# Altium PCB 200330 DISCHARGE R2.PcbDoc (part 1 of 2) (continued)
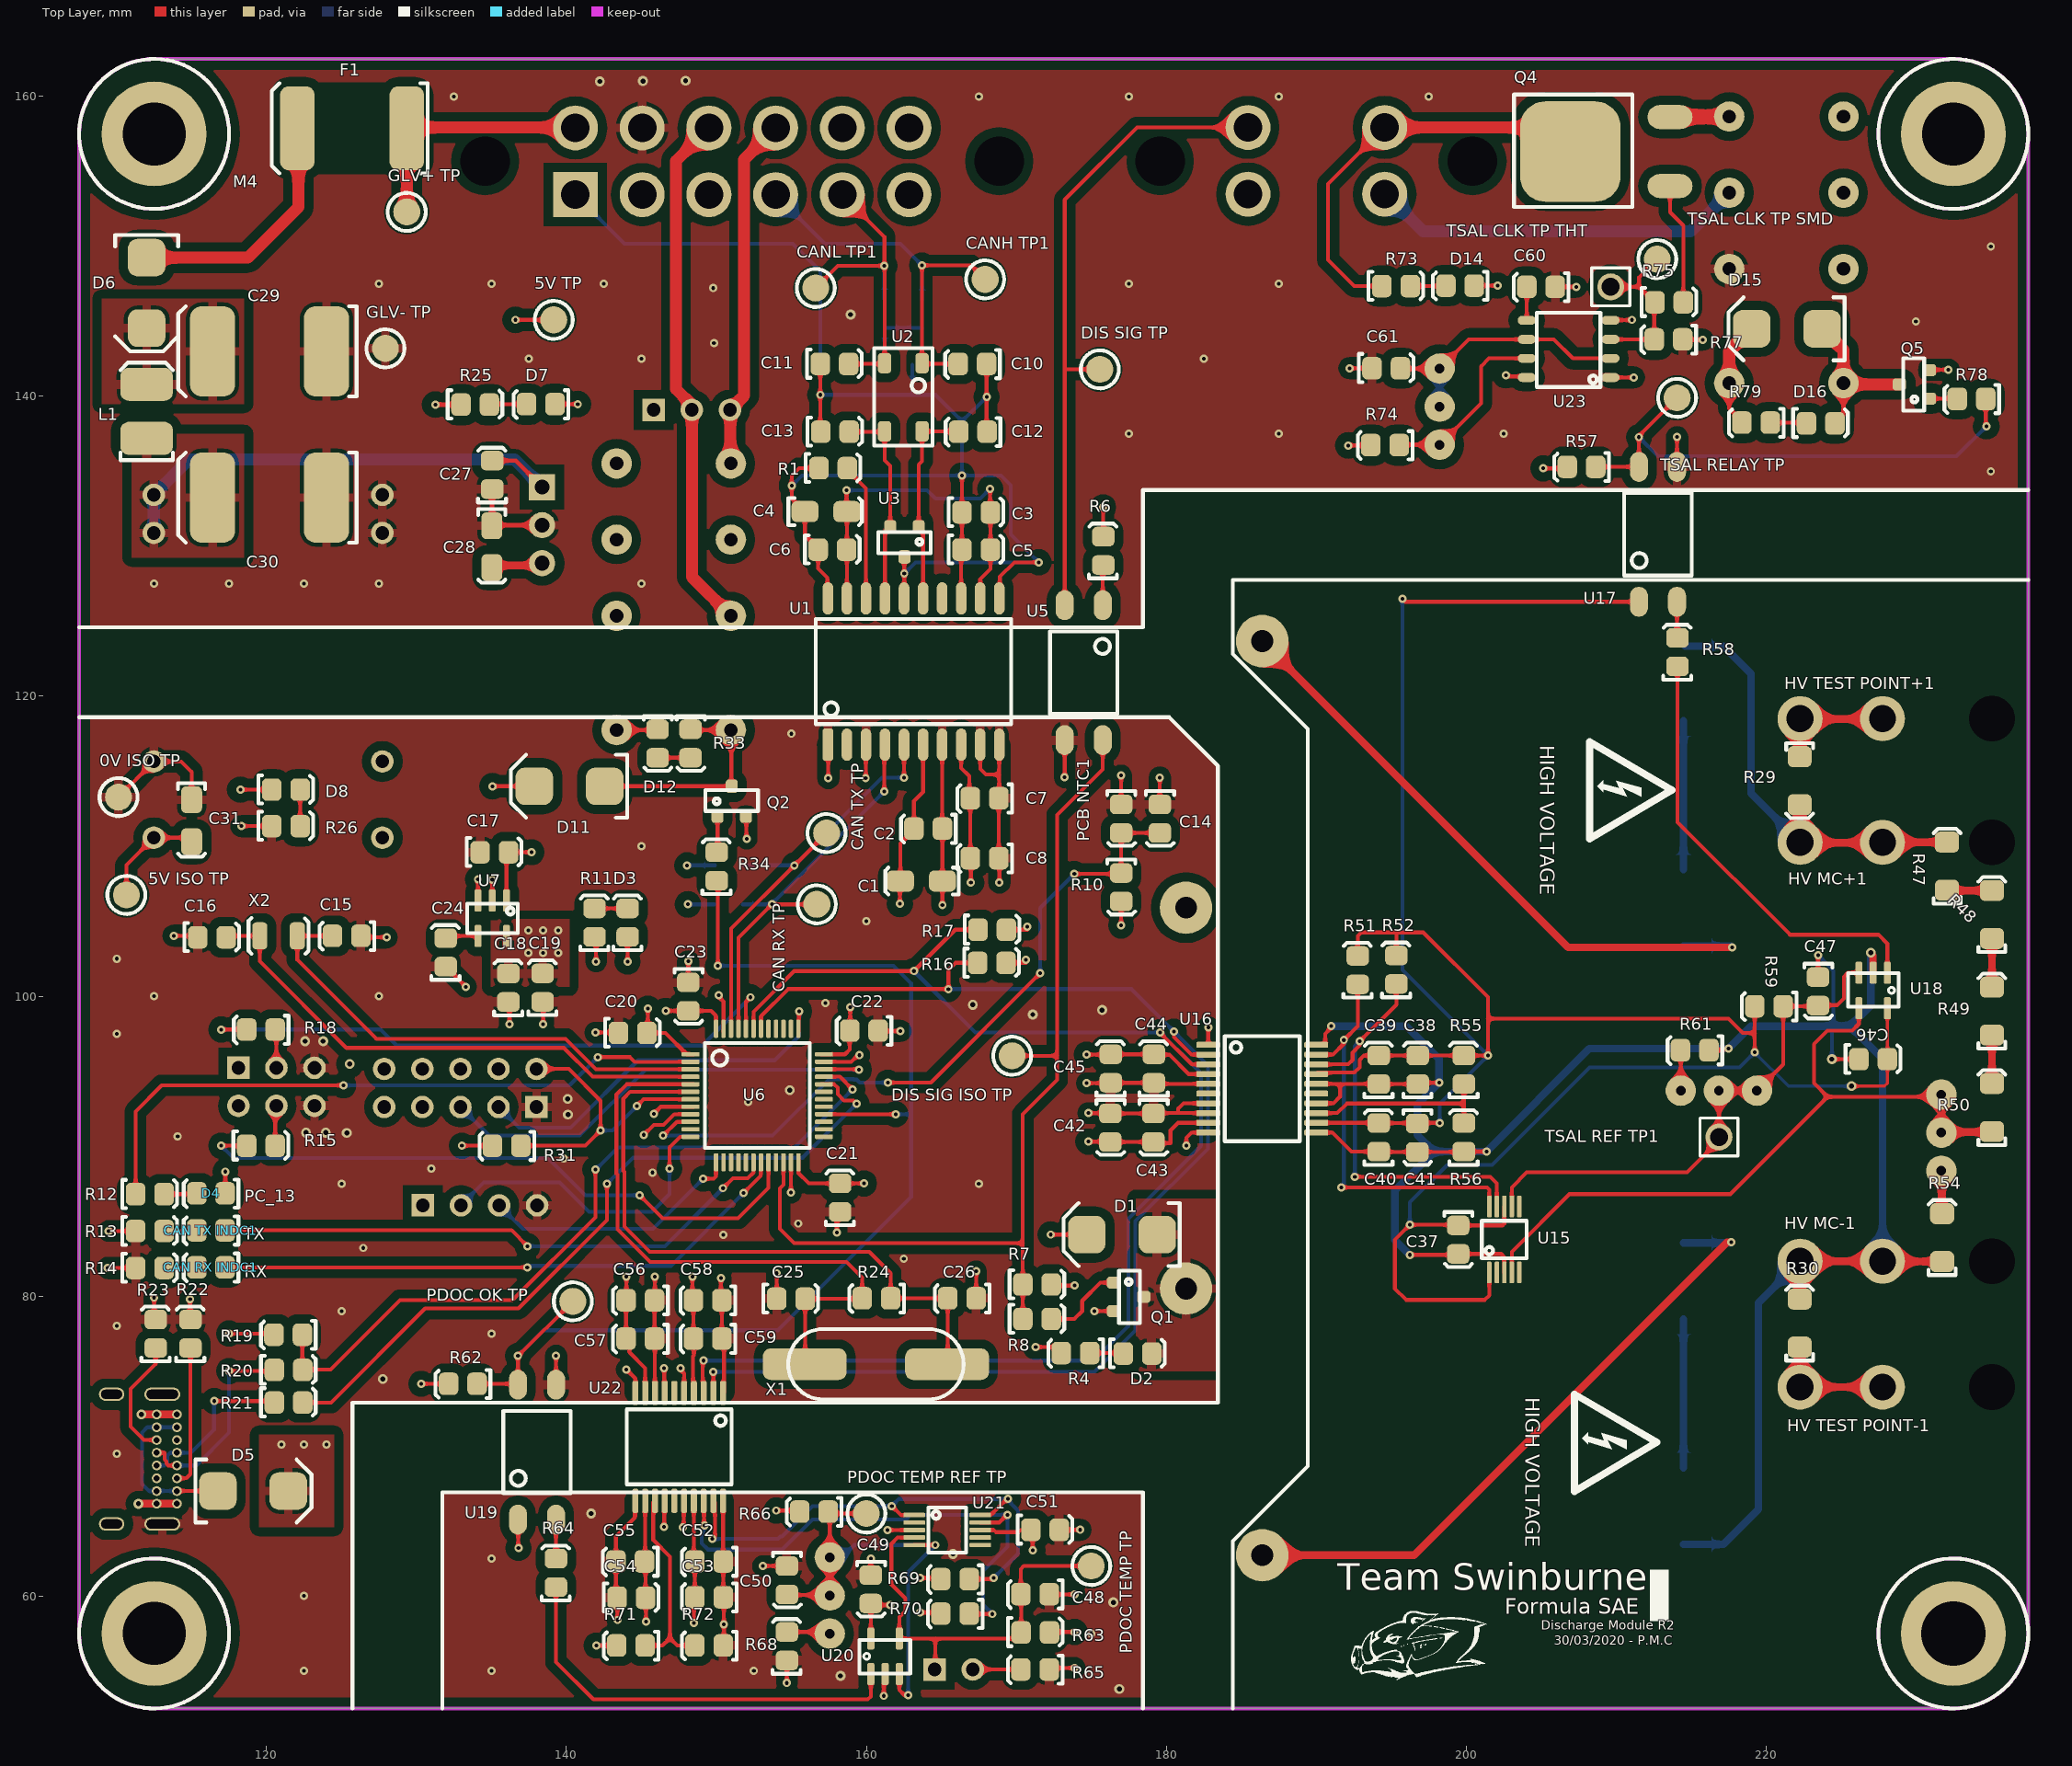
[diagram p0: Top Layer view]
## Part data (continued)
D12: library part SML-210FTT86, "Green LED Indication - Discrete 1.75V 0805 (2012 Metric)", Digikey Part Number=511-1285-1-ND, Manufacturer="ROHM Semiconductor", Colour=Green, Digikey Link=https://www.digikey.com/product-detail/en/rohm-semiconductor/SML-210FTT86/511-1285-1-ND/637098, Part Number=SML-210FTT86
F1: "SMD 24V 2A Fuse", Digikey Part Number=507-1749-2-ND, Manufacturer="Bel Fuse Inc", Digikey Link=https://www.digikey.com/product-detail/en/bel-fuse-inc/0ZCF0200AF2C/507-1749-2-ND/4156090, Part Number=0ZCF0200AF2C
"HV MC+1" "HV MC-1" "HV TEST POINT+1" "HV TEST POINT-1": Digikey Part Number=WM21351-ND, Angle=90, Contact=Tin, Flange=No, Part Number=39300020, Pitch=4.2mm, Positions=2, Row Spacing=5.5mm
K1 K2: "5V DPDT Relay 3A 220VDC", Digikey Part Number=PB383-ND, Manufacturer=Axicom, Digikey Link=https://www.digikey.com/products/en?mpart=V23105A5001A201&v=41, Part Number=V23105A5475A201
L1: library part RLS-126, Digikey Part Number=945-3429-ND, Manufacturer=Recom, Rated Current=800mA, Tolerance=0.2, Impedence=230mOhm, Inductance=12uH, Material=Wirewound, Part Number=RLS-126
P1: "USB - C (Type - C) USB 2.0 Receptacle Connector 16 Position Through Hole, Right Angle", Digikey Part Number=2073-USB4085-GF-ACT-ND, Angle=90, Digikey Link=https://www.digikey.ee/product-detail/en/gct/USB4085-GF-A/2073-USB4085-GF-ACT-ND/9859733, Part Number=USB4085-GF-A
"PCB NTC1": library part NTCS0805E3103FLT, Digikey Part Number=BC2733CT-ND, Manufacturer="Vishay Beyschlag", Rated Voltage=210mW, Tolerance=0.01, Part Number=NTCS0805E3103FLT
"PDOC Bypass1": library part "TH 2.54mm Header 1x3", Angle=0, Contact=NA, Flange=No, Part Number="TH 2.54mm Header 1x3", Pitch=2.54mm, Positions=3, Row Spacing=2.54mm
"PDOC NTC1": library part "TH 2.54mm Header 1x2", Angle=0, Contact=NA, Flange=No, Part Number="TH 2.54mm Header 1x2", Pitch=2.54mm, Positions=2, Row Spacing=2.54mm
Q1 Q2 Q5: "60V 380mA, NFET MOSTFET (Small Signal)", Digikey Part Number=2N7002KCT-ND, Manufacturer="ON Semiconductor", Digikey Link=https://www.digikey.com/product-detail/en/on-semiconductor/2N7002K/2N7002KCT-ND/2060375, LatestRevisionDate=29-May-2009, LatestRevisionNote="IPC-7351 Footprint Added.", PackageDescription="4-Pin SOT-343 Package 1.3 mm Pitch, 2.1 mm Lead Span", PackageReference=SOT-343, PackageVersion=Sep-2000, Part Number=2N7002K, Published=24-Mar-1999, Publisher="Altium Limited", Qty=30
Q4: "N-Channel 100V 60A (Tc) 125W (Tc) Surface Mount DPAK", Digikey Part Number=497-8806-2-ND, Manufacturer=STMicroelectronics, Digikey Link=https://www.digikey.com/product-detail/en/stmicroelectronics/STD70N10F4/497-8806-2-ND/2035599, LatestRevisionDate=29-May-2009, LatestRevisionNote="IPC-7351 Footprint Added.", PackageDescription="4-Pin SOT-343 Package 1.3 mm Pitch, 2.1 mm Lead Span", PackageReference=SOT-343, PackageVersion=Sep-2000, Part Number=STD70N10F4, Published=24-Mar-1999, Publisher="Altium Limited"
R1: library part RC0805FR070RL, Manufacturer=YAGEO, Rated Voltage=0.125W, Tolerance=0.01, Material=FR-07, Part Number=RC0805FR070RL
R2 R3 R5 R9: library part PWR263S-35-1001J, Digikey Part Number=PWR263S-35-1001J-ND, Manufacturer="Bournes Inc", Rated Voltage=35W, Tolerance=0.05, Part Number=PWR263S-35-1001J
R4 R6 R7 R19 R58 R73 R79: library part RC0805FR071K5L, Manufacturer=YAGEO, Rated Voltage=0.125W, Tolerance=0.01, Material=FR-07, Part Number=RC0805FR071K5L
R8 R34 R75 R78: library part RC0805FR0710RL, Manufacturer=YAGEO, Rated Voltage=0.125W, Tolerance=0.01, Material=FR-07, Part Number=RC0805FR0710RL
R10 R15 R18 R31 R56 R59 R61 R65 R66 R68 R72: library part RC0805FR0710KL, Manufacturer=YAGEO, Rated Voltage=0.125W, Tolerance=0.01, Material=FR-07, Part Number=RC0805FR0710KL
R11 R12 R26: library part RC0805FR07510RL, Manufacturer=YAGEO, Rated Voltage=0.125W, Tolerance=0.01, Material=FR-07, Part Number=RC0805FR07510RL
R13 R14 R25 R33 R64: library part RC0805FR07680RL, Manufacturer=YAGEO, Rated Voltage=0.125W, Tolerance=0.01, Material=FR-07, Part Number=RC0805FR07680RL
R16 R17 R22 R23 R27 R28 R74: library part RC0805FR075K1L, Manufacturer=YAGEO, Rated Voltage=0.125W, Tolerance=0.01, Material=FR-07, Part Number=RC0805FR075K1L
R20 R21: library part RC0805FR0720RL, Manufacturer=YAGEO, Rated Voltage=0.125W, Tolerance=0.01, Material=FR-07, Part Number=RC0805FR0720RL
R24: library part RC0805FR0710ML, Manufacturer=YAGEO, Rated Voltage=0.125W, Tolerance=0.01, Material=FR-07, Part Number=RC0805FR0710ML
R29 R30: library part MMA02040C1502FB300, Digikey Part Number=MMA-15KACT-ND, Manufacturer="Vishay Beyschlag", Rated Voltage=0.4W, Tolerance=0.01, Part Number=MMA02040C1502FB300
R47 R48 R49 R50: library part MMA02040C3303FB300, Digikey Part Number=MMA-330KACT-ND, Manufacturer="Vishay Beyschlag", Rated Voltage=0.4W, Tolerance=0.01, Part Number=MMA02040C3303FB300
R51 R52 R69 R70: library part RC0805FR075K6L, Manufacturer=YAGEO, Rated Voltage=0.125W, Tolerance=0.01, Material=FR-07, Part Number=RC0805FR075K6L
R53 R60 R67 R76: library part 3296W-1-103LF, Digikey Part Number=3296W-103LF-ND, Manufacturer="Bournes Inc", Rated Voltage=0.5W, Tolerance=0.1, Part Number=3296W-1-103LF
R54: library part MMA02040C1002FB300, Digikey Part Number=MMA-10KACT-ND, Manufacturer="Vishay Beyschlag", Rated Voltage=0.4W, Tolerance=0.01, Part Number=MMA02040C1002FB300
R55 R71: library part RC0805FR0730KL, Manufacturer=YAGEO, Rated Voltage=0.125W, Tolerance=0.01, Material=FR-07, Part Number=RC0805FR0730KL
R57 R62: library part RC0805FR073KL, Manufacturer=YAGEO, Rated Voltage=0.125W, Tolerance=0.01, Material=FR-07, Part Number=RC0805FR073KL
R63: library part RC0805FR072KL, Manufacturer=YAGEO, Rated Voltage=0.125W, Tolerance=0.01, Material=FR-07, Part Number=RC0805FR072KL
R77: library part RC0805FR0720KL, Manufacturer=YAGEO, Rated Voltage=0.125W, Tolerance=0.01, Material=FR-07, Part Number=RC0805FR0720KL
"SECONDARY INTERFACE": library part DTF13-4P[[/\]]DTF13-4P, Digikey Part Number=1734-1646-ND, Angle=90, Contact="Copper Alloy", Digikey Link=https://www.digikey.com.au/products/en?keywords=dtf13-4p, Flange=Yes, Part Number=DTF13-4P, Pitch=9.12mm, Positions=4, Row Spacing=4.45mm
SERIAL1: library part "TH 2.54mm Header 1x4", Angle=0, Contact=NA, Flange=No, Part Number="TH 2.54mm Header 1x4", Pitch=2.54mm, Positions=4, Row Spacing=2.54mm
STLINK1: library part "TH 2.54mm Header 2x5", Angle=0, Contact=NA, Flange=No, Part Number="TH 2.54mm Header 2x5", Pitch=2.54mm, Positions=10, Row Spacing=2.54mm
"TSAL CLK TP THT" "TSAL REF TP1": library part "TH Test Point", Angle=0, Contact=NA, Flange=No, Part Number="TH Test Point", Pitch=0mm, Positions=1, Row Spacing=0mm
U1: "Isolated CAN Transceiver", Digikey Part Number=ADM3053BRWZ-ND, Manufacturer="Analogue Devices", Digikey Link=https://www.digikey.com/product-detail/en/analog-devices-inc/ADM3053BRWZ/ADM3053BRWZ-ND/2709332, Part Number=ADM3053
U2: "100µH @ 100kHz 2 Line Common Mode Choke Surface Mount 5.8 kOhms @ 10MHz 150mA DCR 2Ohm", Digikey Part Number=495-4598-1-ND, Inductance="100µH @ 100kHz", Manufacturer="EPCOS (TDK)", Rated Current=150mA, Digikey Link=https://www.digikey.com/product-detail/en/epcos-tdk/B82787C0104H002/495-4598-2-ND/3680998, Impedence="5.8 kOhms @ 10MHz", Material=Wirewound, Part Number=B82787C0104H002
U3: "Dual Line CAN Bus Protector", Digikey Part Number=NUP2105LT1GOSCT-ND, Manufacturer="ON Semiconductor", Digikey Link=https://www.digikey.com/product-detail/en/on-semiconductor/NUP2105LT1G/NUP2105LT1GOSCT-ND/1485001, Part Number=NUP2105L
U4: "RELAY REED HV SPST 200W 3A 5V (NC)", Digikey Part Number=1835-1039-ND, Manufacturer="Comus International", Digikey Link=https://www.digikey.com.au/product-detail/en/comus-international/3350-4275-056/1835-1039-ND/7515921, Part Number=3350-4275-056
U5 U17 U19: "35V 50ma Optocoupler (VF=1.2V)", Digikey Part Number=160-1893-2-ND, Manufacturer="Lite-On Inc", Digikey Link=https://www.digikey.com/product-detail/en/lite-on-inc/LTV-817S-TA1/160-1893-2-ND/388451, Part Number=LTV-817S-TA1
U6: "ARM® Cortex®-M3 STM32F1 Microcontroller IC 32-Bit 72MHz 64KB (64K x 8) FLASH", Digikey Part Number=497-6063-ND, Manufacturer=STMicroelectronics, Digikey Link=https://www.digikey.com/product-detail/en/stmicroelectronics/STM32F103C8T6/497-6063-ND/1646338, Part Number=STM32F103C8T6
U7: "IC REG LINEAR 3.3V 300MA SOT23-5", Digikey Part Number=1028-1014-1-ND, Manufacturer=Richtek, Digikey Link=https://www.digikey.com/products/en?keywords=1028-1014-1-ND, Part Number=RT9193-33GB
U8: "CONV DC/DC 1A 5V OUT SIP VERT", Digikey Part Number=945-1395-5-ND, Manufacturer=Recom, Digikey Link=https://www.digikey.com.au/product-detail/en/recom-power/R-78C5.0-1.0/945-1395-5-ND/2652148, Isolation=Non-Isolated, Part Number=R-78C5.0-1.0
U9: "DC DC CONVERTER 5V 4W", Digikey Part Number=JTC0424S05-ND, Input Voltage=9V-36V, Manufacturer="XP Power", Output Power=4W, Output Voltage=5V, Digikey Link=https://www.digikey.com/products/en?keywords=%20JTC0424S05, Efficiency=0.79, Isolation=Isolated, Part Number=JTC0424S05
U15 U21: "16 Bit Analog to Digital Converter 2, 4 Input 1 Sigma-Delta 10-VSSOP", Digikey Part Number=296-38849-1-ND, Manufacturer="Texas Instruments", Digikey Link=https://www.digikey.com/product-detail/en/texas-instruments/ADS1115IDGSR/296-38849-1-ND/5142969, Part Number=ADS1115
U16 U22: "I²C Digital Isolator 2500Vrms 2 Channel 25kV/µs CMTI 20-SSOP (0.209\", 5.30mm Width)", Digikey Part Number=ADM3260ARSZ-RL7CT-ND, Manufacturer="Analog Devices", Digikey Link=https://www.digikey.com/product-detail/en/analog-devices-inc/ADM3260ARSZ-RL7/ADM3260ARSZ-RL7CT-ND/5233040, Part Number=ADM3260
U18 U20: "IC COMP LO PWR SGL V SOT 23-5L", Digikey Part Number=497-2275-2-ND, Manufacturer=STMicroelectronics, Digikey Link=https://www.digikey.com/product-detail/en/stmicroelectronics/TS391ILT/497-2275-2-ND/599407, Part Number=TS391ILT
U23: "IC OSC SGL TIMER 100KHZ 8-SOIC", Digikey Part Number=296-6501-1-ND, Manufacturer="Texas Instruments", Digikey Link=https://www.digikey.com.au/product-detail/en/texas-instruments/NE555DR/296-6501-1-ND/372490, Part Number=NE555DR
"UNIVERSAL INTERFACE": library part DTF13-12P[[/\]]DTF13-12P, Digikey Part Number=1734-1861-ND, Angle=90, Contact=Nickel, Digikey Link=https://www.digikey.com/product-detail/en/te-connectivity-deutsch-connectors/DTF13-12PA/1734-1861-ND/9744662, Flange=Yes, Part Number=DTF13-12P, Pitch=4.45mm, Positions=12, Row Spacing=4.45mm
X1: library part ABLS-16.000MHZ-B4-T, Digikey Part Number=535-10226-1-ND, Load Capacitance=18pF, Manufacturer="Abracon LLC", Digikey Link=https://www.digikey.com/product-detail/en/abracon-llc/ABLS-16.000MHZ-B4-T/535-10226-1-ND/2184261, ESR=40R, Part Number=ABLS-16.000MHZ-B4-T
X2: library part "FC-135 32.7680KA-A5", Digikey Part Number=SER4103TR-ND, Load Capacitance=12.5pF, Manufacturer=EPSON, Digikey Link=https://www.digikey.com/product-detail/en/epson/FC-135-32.7680KA-A5/SER4103TR-ND/5259895, ESR=70k, Part Number="FC-135 32.7680KA-A5"

## Free pads (board coordinates)
  round 7 hole 4.2 unplated: 0(112.5,57.5) 0(112.5,157.5) 0(232.5,157.5)
  round 7 hole 4.3 unplated: 3(232.5,57.5)

## Via types
v1: diameter 0.55, hole 0.25, Top Layer to Bottom Layer, tented both sides, 247 vias
v2: diameter 0.66, hole 0.33, Top Layer to Bottom Layer, tented both sides, 19 vias
v3: diameter 0.66, hole 0.33, Top Layer to Bottom Layer, 8 vias

## Nets (pads, with @x,y where several pads share a name; then routed paths per layer and width w, separated by ;. In a path a pad name is that pad's centre, name@x,y a point inside that pad or via, vN(x,y) a via of type N, cw(c..) or ccw(c..) an arc to the next point about the centre after c; other vN are vias at no path point)
0V: R25.1 | length 1.7
  Top Layer w0.3: v1(131.251,139.449) R25.1@132.963,139.449
"0V (ISO)": "0V ISO TP.1" "PCB NTC1.1" BOOT1.5 BOOT1.6 C1.1 C2.1 C7.1 C8.1 C14.1 C15.1 C16.1 C17.1 C18.1 C19.1 C20.1 C21.1 C22.1 C23.1 C24.1 C25.1 C26.1 C31.1 C42.1 C43.1 C44.1 C45.1 C56.1 C57.1 C58.1 C59.1 P1.A1 P1.A12 P1.B1 P1.B12 P1.P1 Q1.S Q2.S R11.1 R13.1 R14.1 R22.2 R23.2 R26.1 SERIAL1.4 STLINK1.1 U1.1 U1.3 U1.7 U1.9 U1.10 U5.3 U6.8 U6.23 U6.35 U6.47 U7.2 U9.16 U16.1 U16.5 U16.7 U16.8 U16.10 U19.3 U22.1 U22.5 U22.7 U22.8 U22.10 | length 134
  Top Layer w0.254: v1(109.401,81.874) R14.1@111.263,81.874 ; v1(109.463,84.337) R13.1@111.263,84.337 ; 110.125,113.275 110.125,113.285 112.48,115.64 U9.16@112.48,115.65 114.3,115.65 115,114.95 C31.1@115,113.1 ; v1(112.5,79.9) 112.5,78.548 R23.2@112.61,78.438 ; v1(113.8,104.025) 115.3,104.025 C16.1@115.4,103.925 ; v1(114.9,79.8) 114.9,78.464 R22.2@114.926,78.438 ; v1(118.319,111.344) R26.1@120.338,111.344 ; C15.1@126.3,104.025 126.4,103.925 v1(128,103.925) ; C24.1@131.95,101.975 v1(133.3,100.625) ; U7.2@135.05,106.375 v1(135.05,107.775) ; C18.1@136.126,99.613 136.2,99.539 v1(136.2,98.125) ; C19.1@138.41,99.622 138.3,99.512 138.45,99.362 v1(138.45,98.125) ; U19.3@139.306,74.096 v1(139.306,76.019) ; R11.1@141.875,103.95 141.975,103.85 v1(141.975,102.312) ; v1(141.925,97.575) 143.437,97.575 C20.1@143.463,97.549 ; v1(144,75.1) 144.599,74.501 U22.10@144.599,73.546 ; v1(145.821,92.151) 146.295,92.625 U6.8@148.475,92.625 ; U22.8@145.899,73.546 145.899,77.137 C57.1@145.874,77.162 C56.1@145.874,79.726 145.9,79.752 v1(145.9,81.3) ; v1(146.5,75.2) 146.524,75.175 146.524,73.57 U22.7@146.549,73.546 ; v1(147.6,75.2) 147.6,75.076 147.849,74.827 U22.5@147.849,73.546 ; C23.1@148.125,100.925 v1(148.125,102.325) ; v1(150.15,100.075) 150.15,99.951 150.475,99.626 U6.47@150.475,97.625 ; v1(150.3,81.2) 150.3,79.789 C58.1@150.363,79.726 C59.1@150.363,77.162 150.51,77.015 150.51,73.607 U22.1@150.449,73.546 ; Q2.S@151.975,112 152,111.975 152,110.525 v1(152.025,110.5) ; C25.1@154.025,79.825 v1(154.025,81.525) ; v1(154.975,86.9) U6.23@154.975,89.125 ; U6.35@156.975,95.625 158.994,95.625 159.432,96.063 v1(159.537,96.063) ; U1.1@157.436,116.77 157.464,116.742 v1(157.464,114.537) ; v1(158.039,84.226) 158.039,85.401 C21.1@158.251,85.613 ; v1(159.953,114.537) 159.965,114.549 159.965,116.758 U1.3@159.976,116.77 ; C22.1@160.787,97.701 160.813,97.675 v1(162.275,97.675) ; U1.7@165.056,116.77 165.056,111.194 C2.1@165.075,111.175 C1.1@165.075,107.675 v1(165.075,106.075) ; C26.1@167.325,79.856 v1(167.325,81.65) ; U1.9@167.596,116.77 167.596,115.154 167.975,114.775 168.866,114.775 ; U1.10@168.866,116.77 168.866,114.775 ; v1(168.875,107.575) 168.875,109.163 C8.1@168.837,109.201 C7.1@168.837,113.201 168.866,113.23 168.866,114.775 ; v1(173.23,114.596) U5.3@173.23,117.075 ; v1(174.7,94.2) 176.28,94.2 C45.1@176.305,94.225 C44.1@179.175,94.225 179.247,94.153 U16.5@182.806,94.153 ; v1(174.8,92.2) 176.249,92.2 C42.1@176.274,92.175 C43.1@179.144,92.175 179.172,92.203 180.7,92.203 ; v1(175.2,79) Q1.S@176.5,79 ; 176.996,112.785 v1(176.996,114.721) ; C14.1@179.574,112.785 v1(179.574,114.581) ; v1(181.349,90.048) 181.349,90.567 181.683,90.901 182.805,90.901 U16.10@182.806,90.903 ; U16.8@182.806,92.203 180.7,92.203 ; U16.7@182.806,92.853 181.153,92.853 180.8,92.5 180.8,92.303 180.7,92.203 ; U16.1@182.806,96.753 v1(182.806,97.928)
  Top Layer w0.508: v2(111.45,66.15) 111.452,66.152 P1.B12@112.675,66.152 P1.A1@114.025,66.152 ; v2(111.648,72.102) P1.B1@112.675,72.102 P1.A12@114.025,72.102
  other v1: 122.5,55 122.5,60 110,69.5 135,77.5 110,78 125,79 162.5,82.5 126.441,83.21 150.47,84.074 155.448,84.836 125,87.5 167.5,87.5 145.745,88.24 131,88.5 139.825,89.175 114.071,90.653 152.121,92.939 110,97.5 157.277,99.543 112.5,100 127.5,100 110,102.5 160,105 145,110 155,117.5
  other v2: 127.75,74.475 125.35,90.875 122.625,90.9 123.95,90.9 140.1,92.1 140.075,93.15 154.9,93.725 122.575,97 123.775,97 171.1,98.775 175.725,99.075 167.1,99.425
"3.3V (ISO)": BOOT1.1 BOOT1.2 C18.2 C19.2 C20.2 C21.2 C22.2 C23.2 D3.A D4.A R31.2 SERIAL1.1 STLINK1.7 STLINK1.8 U6.1 U6.9 U6.24 U6.36 U6.48 U7.5 | length 29.4
  Top Layer w0.254: D4.A@117.237,86.851 117.25,86.864 v1(117.25,88.3) ; v1(133.026,90.026) R31.2@135.062,90.026 ; v1(144.075,102.312) 144.075,103.945 D3.A@144.08,103.95 ; v1(145.161,90.754) 145.821,91.415 146.482,91.415 147.192,92.125 U6.9@148.475,92.125 ; v1(145.425,99.175) C20.2@145.425,97.611 ; C20.2@145.439,97.625 C20.2@145.425,97.611 ; v1(146.625,99.025) C23.2@148.125,99.025 149.65,99.025 149.975,98.7 U6.48@149.975,97.625 ; U6.1@148.475,96.125 148.025,96.125 146.601,97.549 C20.2@145.363,97.549 C20.2@145.425,97.611 ; U6.24@155.475,89.125 155.475,88.2 156.162,87.513 C21.2@158.251,87.513 v1(159.851,87.513) ; U6.36@156.975,96.125 158.575,96.125 158.887,96.437 C22.2@158.887,97.701 158.925,97.739 v1(158.925,99.275)
  other v1: 137.45,102.875 138.45,102.875 139.45,102.875 137.45,104.375 138.45,104.375 139.45,104.375
5kW: "UNIVERSAL INTERFACE.8"
5V: "5V TP.1" "SECONDARY INTERFACE.1" C28.2 D7.A D14.A D15.K K2.1 R6.2 R57.2 R74.2 R79.2 U8.3 U23.4 U23.8 | length 24.3
  Top Layer w0.254: v1(136.6,145.1) 139.15,145.1 ; D7.A@139.237,139.48 v1(140.755,139.48) ; R6.2@175.8,130.65 v1(175.8,132.6) ; v1(192.15,136.725) 193.611,136.725 R74.2@193.637,136.751 ; D14.A@200.552,147.383 v1(202.117,147.383) ; v1(202.65,141.4) 202.72,141.33 203.98,141.33 U23.8@204.05,141.26 ; v1(205.15,135.198) 206.65,135.198 R57.2@206.75,135.298 ; U23.4@209.638,145.07 209.653,145.085 211.035,145.085 v1(211.05,145.1) ; K2.1@217.55,140.88 217.55,139.2 218.4,138.35 R79.2@218.4,138.25
  Top Layer w0.508: C28.2@135.025,128.575 135.172,128.722 138.227,128.722 U8.3@138.375,128.87
  Top Layer w0.8: K2.1@217.55,140.88 217.55,143 D15.K@219.05,144.5
"5V (ISO)": "5V ISO TP.1" C1.2 C2.2 C7.2 C8.2 C17.2 C31.2 C42.2 C43.2 C44.2 C45.2 C56.2 C57.2 C58.2 C59.2 D1.K D5.K D8.A D11.K D12.A K1.1 R4.2 R7.2 R10.2 R16.2 R17.2 R19.2 R27.2 R28.2 R62.2 U1.6 U1.8 U4.2 U7.1 U7.3 U9.14 U16.4 U16.9 U22.4 U22.9 | length 94.4
  Top Layer w0.254: 110.65,106.75 110.65,108.74 U9.14@112.48,110.57 114.73,110.57 C31.2@115,110.3 ; v1(117.5,77.5) 120.362,77.5 120.462,77.4 R19.2@120.488,77.426 ; v1(118.251,113.774) D8.A@120.338,113.774 ; v1(130.312,74.151) R62.2@132.137,74.151 ; U7.3@134.1,106.375 v1(134.1,107.795) ; v1(135.075,114) D11.K@137.85,114 ; U7.1@136,106.375 136,109.461 C17.2@136.138,109.599 v1(137.674,109.599) ; K1.1@143.344,117.745 146.02,117.745 D12.A@146.075,117.8 ; v1(144,81.3) 144,79.752 C56.2@143.974,79.726 C57.2@143.974,77.162 144.197,76.939 144.197,76.249 145.249,75.198 U22.9@145.249,73.546 ; v1(148.4,81.3) 148.4,79.789 C58.2@148.463,79.726 C59.2@148.463,77.162 148.499,77.126 148.499,76.055 148.438,75.994 148.438,73.607 U22.4@148.499,73.546 ; v1(162.239,106.155) 162.239,107.46 162.264,107.486 162.175,107.575 C1.2@162.275,107.675 162.275,110.175 163.175,111.075 C2.2@163.175,111.175 163.175,113.009 163.786,113.62 U1.6@163.786,116.77 ; U1.8@166.326,116.77 166.326,115.224 166.875,114.675 166.875,113.263 C7.2@166.937,113.201 C8.2@166.937,109.201 166.975,109.163 v1(166.975,107.575) ; R16.2@169.318,102.222 v1@170.64,102.222 ; R17.2@169.343,104.432 v1@170.741,104.432 ; v1(171.3,76.6) 172.6,76.6 R4.2@173,76.2 ; v1(172.3,84.1) D1.K@174.7,84.1 ; R7.2@172.338,80.774 172.412,80.7 v1(173.9,80.7) ; v1(174.7,96.1) 176.28,96.1 C45.2@176.305,96.125 C44.2@179.175,96.125 179.2,96.1 180.2,96.1 181.497,94.803 U16.4@182.806,94.803 ; v1(174.8,90.3) 176.249,90.3 C42.2@176.274,90.275 C43.2@179.144,90.275 179.219,90.2 180.289,90.2 180.289,91.049 180.793,91.553 U16.9@182.806,91.553 ; v1(176.996,104.713) R10.2@176.996,106.312
  Bottom Layer w0.254: v1(148.051,108.724) R28.2@149.91,108.724 ; v1(148.101,106.124) R27.2@149.862,106.124
  other v1: 121,70.1 122.5,70.1 124,70.1 170.64,102.422 170.741,104.632
12V/24V: C27.2 C30.2 L1.1 U8.1 U9.22 U9.23 | length 34.2
  Top Layer w0.3: C27.2@135.051,135.713 136.612,135.713 U8.1@138.375,133.95
  Bottom Layer w0.8: U9.22@112.48,130.89 U9.23@112.48,133.43 114.85,135.8 136.525,135.8 U8.1@138.375,133.95
BOOT0: BOOT1.3 R18.1 | length 2.5
  Top Layer w0.254: BOOT1.3@120.655,95.222 R18.1@120.655,97.695
BOOT1: BOOT1.4 R15.2 | length 2.7
  Top Layer w0.254: R15.2@120.575,90.025 120.575,92.602 BOOT1.4@120.655,92.682
CAN1H: "CAN TERM R1.2" "CANL TP1.1" "UNIVERSAL INTERFACE.5" C11.2 U2.2 | length 22.3
  Top Layer w0.254: 156.625,147.225 158.107,148.707 161.131,148.707 v1@161.208,148.631 ; 158.4,153.45 161.208,150.642 v1(161.208,148.707) v1@161.208,148.631 ; C11.2@158.824,142.162 161.167,142.162 U2.2@161.219,142.215 161.219,148.619 v1@161.208,148.631
  Bottom Layer w0.254: v1(161.208,148.707) 161.208,146.479 161.224,146.463
CAN1L: "CAN TERM R2.1" "CANH TP1.1" "UNIVERSAL INTERFACE.4" C10.2 U2.1 | length 27.6
  Top Layer w0.254: C10.2@166.124,142.162 163.772,142.162 U2.1@163.719,142.215 163.708,142.226 v1(163.708,148.732) 166.993,148.732 167.925,147.8
  Bottom Layer w0.254: 153.95,153.45 157.225,150.175 162.265,150.175 v1(163.708,148.732) 163.708,146.445 163.701,146.439
CAN2H: "UNIVERSAL INTERFACE.3"
CAN2L: "UNIVERSAL INTERFACE.2"
CAN3H: "UNIVERSAL INTERFACE.7"
CAN3L: "UNIVERSAL INTERFACE.6"
"CAN RX": "CAN RX TP.1" R27.1 U1.4 U6.45 | length 28.1
  Top Layer w0.254: U6.45@151.475,97.625 151.475,103.9 v1(153.7,106.125) 156.7,106.125 ; v1(161.2,113.663) 161.2,116.724 U1.4@161.246,116.77
  Bottom Layer w0.254: R27.1@151.762,106.124 R27.1@151.762,106.124 v1(153.7,106.125) 153.7,106.163 v1(161.2,113.663)
"CAN RX INDC": "CAN RX INDC1.A" U6.19 | length 39.2
  Top Layer w0.254: 117.237,81.916 v1(137.384,81.916) ; v1(151.816,86.868) 152.952,88.004 152.952,88.902 U6.19@152.975,88.925
  Bottom Layer w0.254: v1(137.384,81.916) 137.479,82.011 146.959,82.011 v1(151.816,86.868)
"CAN TX": "CAN TX TP.1" R28.1 U1.5 U6.46 | length 31.2
  Top Layer w0.254: U6.46@150.975,97.625 150.975,104.5 v1(155.2,108.725) 157.35,110.875 ; v1(162.516,114.566) U1.5@162.516,116.77
  Bottom Layer w0.254: R28.1@151.81,108.724 R28.1@151.81,108.724 v1(155.2,108.725) 161.041,114.566 v1(162.516,114.566)
"CAN TX INDC": "CAN TX INDC1.A" U6.18 | length 38.6
  Top Layer w0.254: 117.237,84.384 136.341,84.384 v1(137.4,83.325) ; v1(150.444,87.198) 151.105,87.859 152.094,87.859 152.475,88.239 U6.18@152.475,89.125
  Bottom Layer w0.254: v1(137.4,83.325) 146.571,83.325 v1(150.444,87.198)
CANS: "UNIVERSAL INTERFACE.1" C3.1 C4.1 C5.1 C6.1 C9.1 C10.1 C11.1 C12.1 C13.1 R1.1 U1.11 U1.13 U1.16 U1.20 U3.3 | length 110.9
  Top Layer w0.254: R1.1@156.832,135.212 155.512,135.212 155.025,134.725 v1(155.025,134.05) 155.025,133.197 C4.1@155.905,132.317 155.905,130.761 156.789,129.877 C6.1@156.789,129.777 156.789,128.521 157.403,127.908 157.403,126.556 U1.20@157.436,126.523 ; C11.1@156.924,142.162 v1(156.924,140.101) 156.924,137.669 C13.1@156.955,137.638 ; U1.16@162.516,126.523 162.53,126.537 v1(162.53,128.175) 162.53,129.281 U3.3@162.544,129.295 ; U1.13@166.326,126.523 166.326,129.723 C5.1@166.38,129.777 C3.1@166.38,132.262 166.375,132.267 v1(166.375,134.725) ; C10.1@168.024,142.162 v1(168.024,139.976) 168.024,137.669 C12.1@168.055,137.638 ; U1.11@168.866,126.524 168.905,126.563 168.905,127.969 169.866,128.93 v1(171.501,128.93)
  Bottom Layer w0.254: 140.6,153.45 143.875,150.175 155.1,150.175 156.924,148.351 v1(156.924,140.101) 163.075,140.101 ; v1(155.025,134.05) 155.7,134.725 v1(166.375,134.725) v1@166.38,134.725 ; v1(162.53,128.175) 163.285,128.93 v1(171.501,128.93) 169.625,130.806 169.625,134.075 168.975,134.725 v1@166.38,134.725 ; C9.1@163.062,142.099 163.062,140.114 163.075,140.101 ; v1(168.024,139.976) 166.38,138.333 ; 163.075,140.101 164.612,140.101 166.38,138.333 ; v1@166.38,134.725 166.38,138.333
CLOCK: "TSAL CLK TP SMD.1" "TSAL CLK TP THT.1" R75.1 R77.2 U23.3 | length 11.1
  Top Layer w0.254: U23.3@209.638,143.8 R77.2@212.55,143.8 212.55,146.291 211.541,147.3 ; 209.65,147.3 211.541,147.3 ; 212.75,149.15 211.541,147.941 211.541,147.3
Discharge: R74.1 R76.3 U23.7 | length 12.3
  Top Layer w0.254: R74.1@195.537,136.751 195.557,136.771 R76.3@198.234,136.771 201,139.537 201,142 201.53,142.53 U23.7@204.05,142.53
"Discharge Release": "DIS SIG TP.1" "SECONDARY INTERFACE.2" U5.2 | length 43.6
  Top Layer w0.254: U5.2@173.23,126.075 173.23,141.775 ; 175.575,141.8 173.255,141.8 173.23,141.775 ; 185.455,157.93 178.055,157.93 173.23,153.105 173.23,141.775
"Discharge Release (ISO)": "DIS SIG ISO TP.1" R7.1 R8.1 U5.4 U6.22 | length 65.2
  Top Layer w0.254: U6.22@154.475,89.125 154.475,87.425 154.225,87.175 154.225,84.475 155.175,83.525 170.438,83.525 ; 169.725,96.025 172.725,96.025 ; 170.427,92.114 170.438,92.125 ; R8.1@170.438,78.474 R7.1@170.438,80.774 170.438,83.525 ; U5.4@175.77,117.075 175.77,115.12 172.725,112.075 172.725,96.025 ; 170.438,83.525 170.438,92.125 ; 170.438,92.125 172.725,94.412 172.725,96.025
GLV+: "GLV+ TP.1" "UNIVERSAL INTERFACE.12" F1.1 | length 16.9
  Top Layer w0.8: 129.35,152.3 F1.1@129.35,157.875 129.405,157.93 140.57,157.93 140.6,157.9
GLV-: "GLV- TP.1" "UNIVERSAL INTERFACE.11" C27.1 C28.1 C29.1 C30.1 C60.1 C61.1 K2.4 Q5.S R77.1 U8.2 U9.2 U9.3 U17.3 U23.1 | length 14.9
  Top Layer w0.254: v1(192.225,141.875) C61.1@193.725,141.875 ; C60.1@205.95,147.3 v1(207.35,147.3) ; U23.1@209.638,141.26 v1(211.19,141.26) ; U17.3@214.07,135.3 U17.3@214.07,135.3 v1(214.071,137.287) ; R77.1@214.45,143.8 214.476,143.774 v1(215.788,143.774) ; Q5.S@230.9,141.75 230.925,141.775 v1(232.175,141.775)
  Top Layer w0.3: C28.1@135.025,131.375 C28.1@135.038,131.388 ; C27.1@135.051,133.813 135.038,133.8 C28.1@135.038,131.388 ; U8.2@138.375,131.41 135.06,131.41 C28.1@135.038,131.388
  other v1: 112.5,127.5 117.5,127.5 122.5,127.5 127.5,127.5 145,127.5 235,135 177.5,137.5 187.5,137.5 202.5,137.5 137.5,142.5 145,142.5 182.5,142.5 149.835,143.561 230,145 149.784,147.218 127.5,147.5 135,147.5 142.5,147.5 177.5,147.5 187.5,147.5 235,150 132.5,160 167.5,160 177.5,160 187.5,160 197.5,160
  other v2: 158.95,145.45
  other v3: 142.225,161 145.1,161.025 147.95,161.05